# Altium PCB PCB1.PcbDoc (part 2 of 9) (continued)
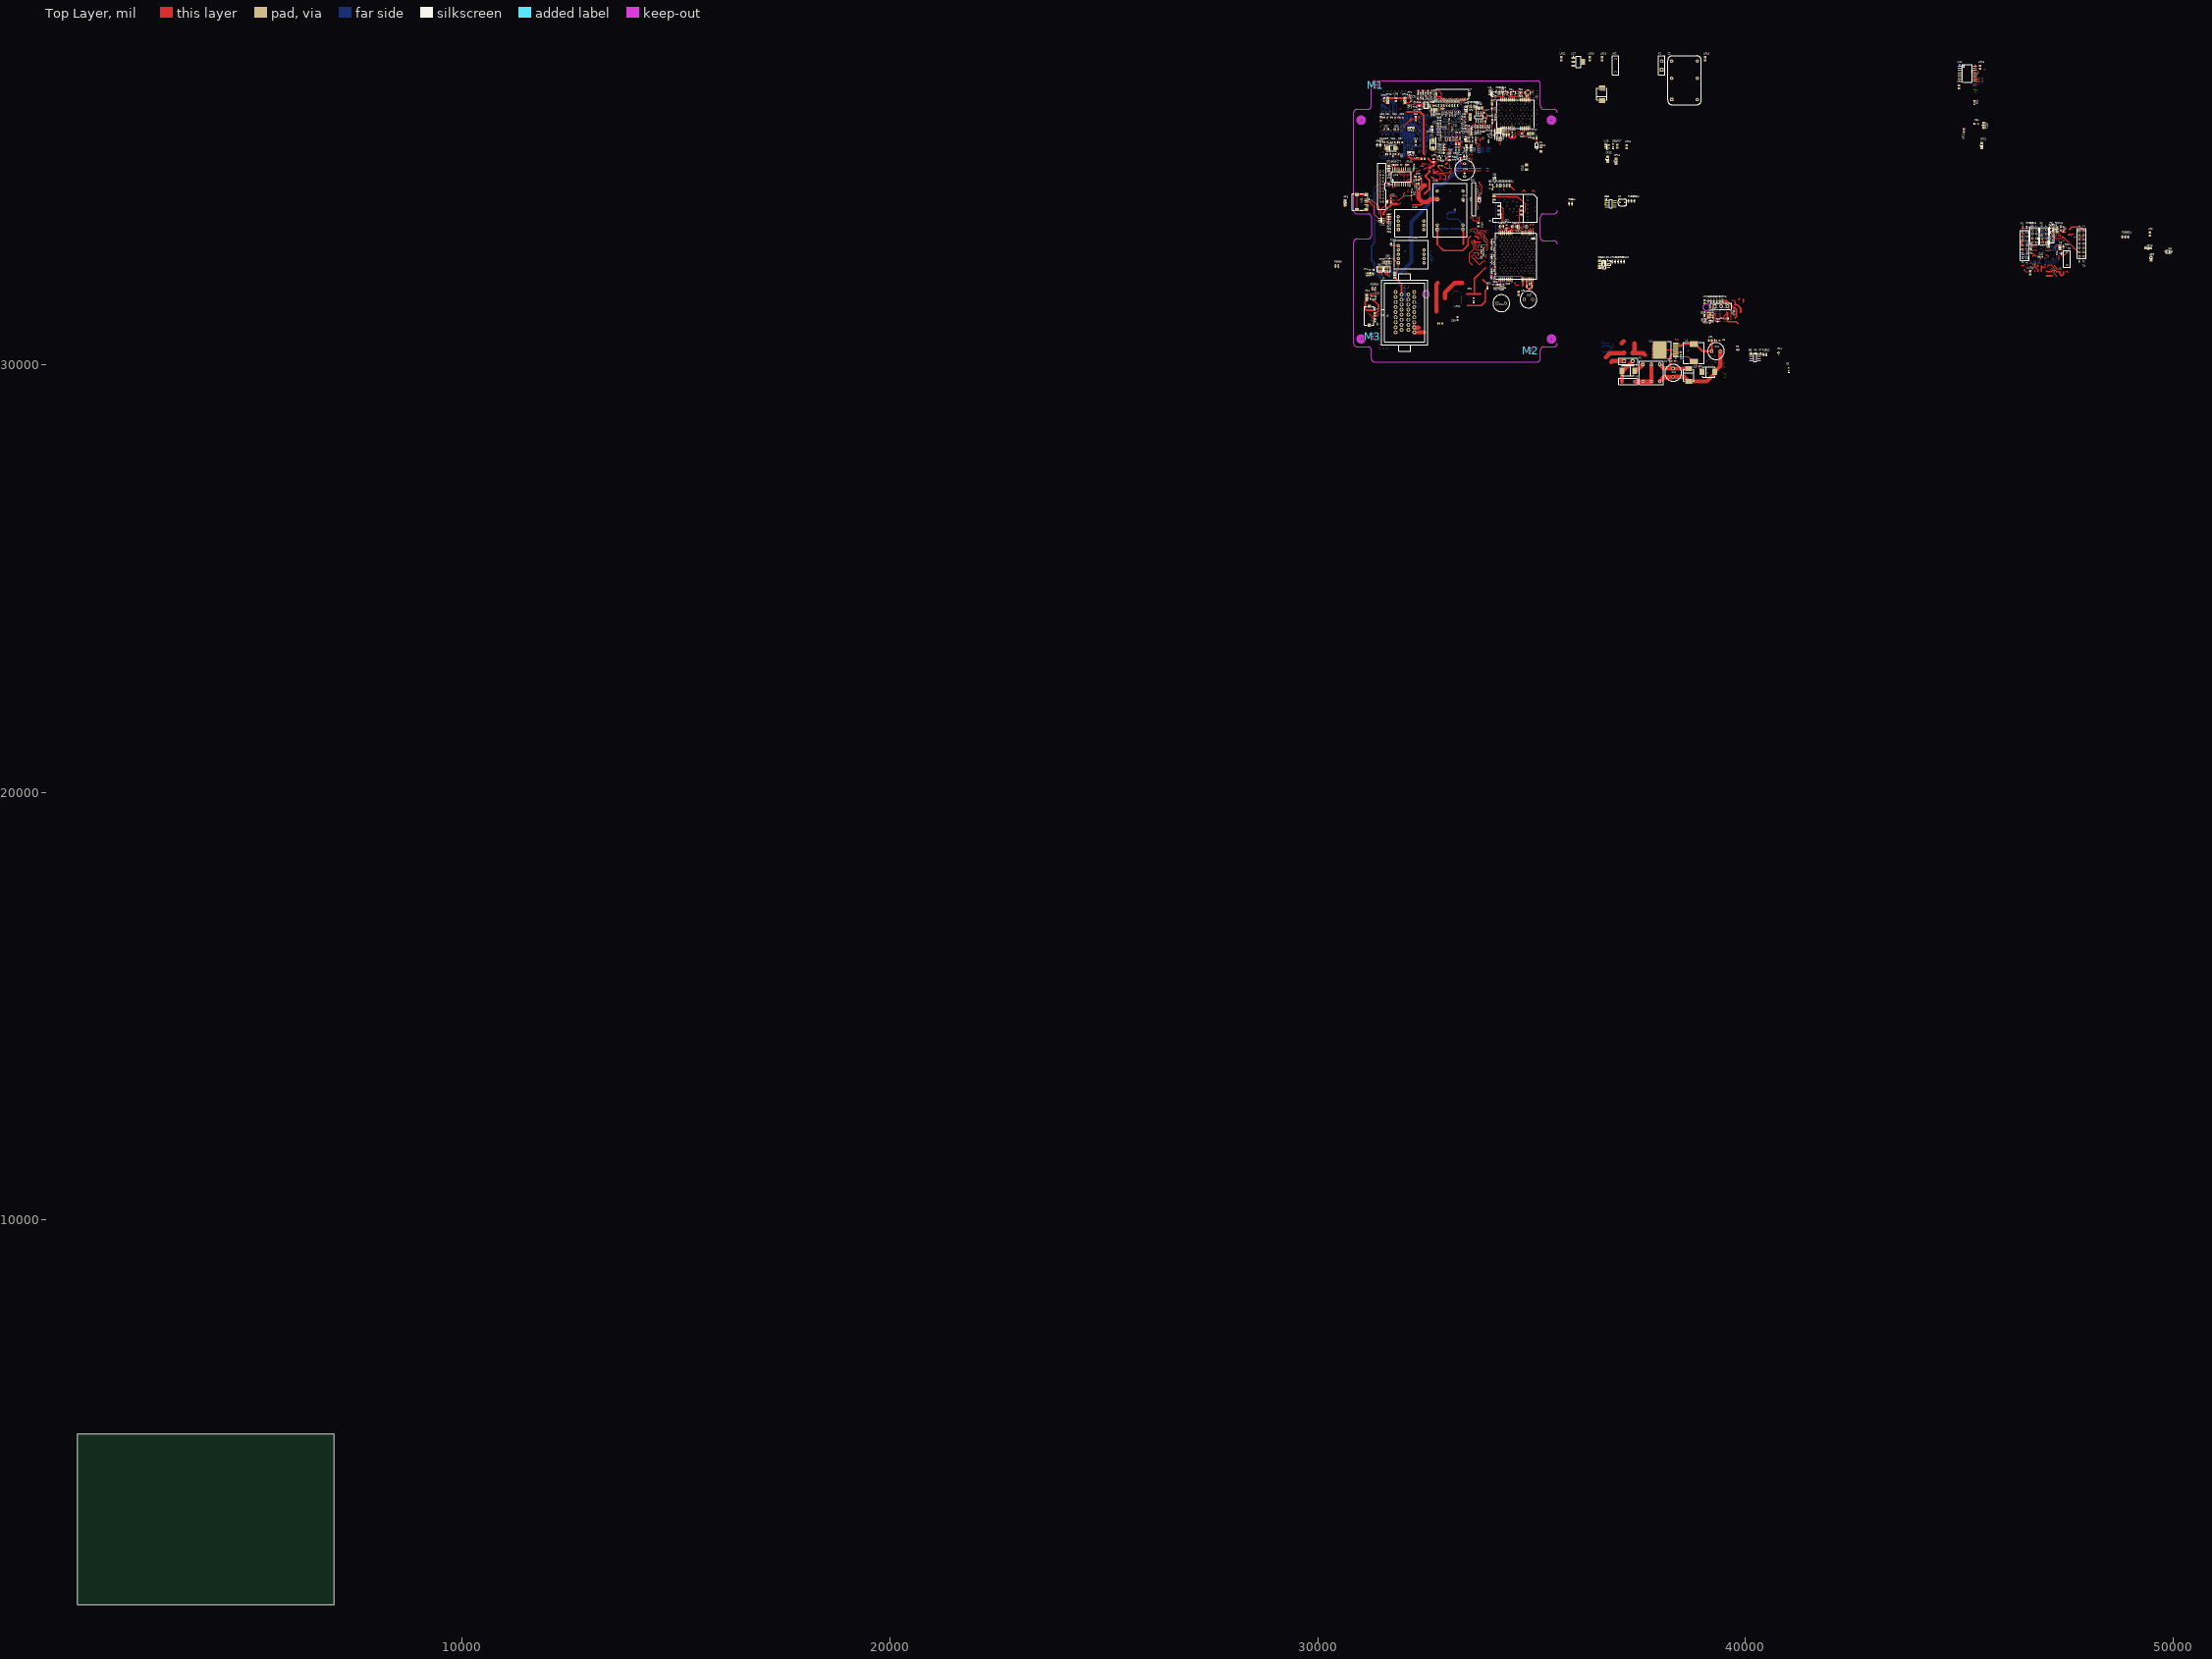
[diagram p0: Top Layer view]
## Nets (pads, with @x,y where several pads share a name; then routed paths per layer and width w, separated by ;. In a path a pad name is that pad's centre, name@x,y a point inside that pad or via, vN(x,y) a via of type N, cw(c..) or ccw(c..) an arc to the next point about the centre after c; other vN are vias at no path point) (continued)
copper on no net: | length 466470.3
  Top Layer w5: v2@31199.1,31192.44 cw(c31199.1,31174.34) 31211.91,31187.14 cw(c31224.71,31199.94) v2@31206.6,31199.94 ; v2(31199.1,31199.94) 31274.89,31124.16 31337.88,31124.16 ; v2(31260.13,31045.42) 31337.88,31045.42 ; v2@31265.43,31040.11 cw(c31278.23,31027.31) 31278.23,31045.42 cw(c31278.23,31063.52) v2@31265.43,31050.72 ; v2@31272.15,31842.88 cw(c31259.35,31830.08) 31277.46,31830.08 cw(c31295.56,31830.08) v2@31282.76,31842.88 ; 31277.46,31814.79 v2(31277.46,31848.18) ; v2(31285.67,31102.47) 31287.67,31104.47 31337.88,31104.47 ; v2@31287.44,31100.71 cw(c31296.53,31091.61) 31296.53,31104.47 ; v2(31290.64,31025.73) 31337.88,31025.73 ; v2@31290.97,31097.17 cw(c31308.6,31079.54) 31308.6,31104.47 ; v2@31290.97,31107.78 ccw(c31298.95,31115.75) 31298.95,31104.47 ; v2(31293.59,31065.1) 31337.88,31065.1 ; v2@31295.94,31020.43 cw(c31308.75,31007.63) 31308.75,31025.73 cw(c31308.75,31043.84) v2@31295.94,31031.04 ; v2@31298.89,31059.8 cw(c31311.7,31047) 31311.7,31065.1 cw(c31311.7,31083.21) v2@31298.89,31070.41 ; 31337.88,31084.79 v2(31383.16,31084.79) ; 31337.88,31143.84 v2(31393.98,31143.84) ; 31337.88,31163.53 31396.94,31163.53 v2(31428.43,31195.02) ; v2@31377.85,31079.48 ccw(c31365.05,31066.68) 31365.05,31084.79 ccw(c31365.05,31102.89) v2@31377.85,31090.09 ; v2@31388.68,31138.54 ccw(c31375.88,31125.74) 31375.88,31143.84 ccw(c31375.88,31161.95) v2@31388.68,31149.15 ; v2@31403.11,32177.04 ccw(c31390.31,32189.84) 31408.41,32189.84 ccw(c31426.52,32189.84) v2@31413.72,32177.04 ; v2(31408.41,32171.74) 31408.41,32211.28 ; v2@31420.93,31195.02 cw(c31402.83,31195.02) 31415.63,31182.22 cw(c31428.43,31169.42) v2@31428.43,31187.52 ; v2@31438.11,32152.87 ccw(c31425.31,32165.67) 31443.41,32165.67 ccw(c31461.52,32165.67) v2@31448.72,32152.87 ; v2(31443.41,32147.56) 31443.41,32211.28 ; v2@31473.54,32122.79 ccw(c31461.79,32134.55) 31478.41,32134.55 ; 31478.41,32136.64 ccw(c31498,32136.64) v2@31484.15,32122.79 ; 31478.41,32211.28 31478.41,32117.48 v2(31478.85,32117.48) ; v2@31508.11,32096.33 ccw(c31495.31,32109.13) 31513.41,32109.13 ccw(c31531.52,32109.13) v2@31518.72,32096.33 ; v2(31513.41,32091.03) 31513.41,32211.28 ; 31543.57,33348.02 31635.1,33348.02 31636.08,33349 31636.08,33407.07 ; 31543.57,33422.82 31592.78,33422.82 31636.08,33466.13 31636.08,33524.2 ; v2@31575.35,32129.8 ccw(c31562.55,32142.6) 31580.66,32142.6 ccw(c31598.76,32142.6) v2@31585.96,32129.8 ; v2(31580.66,32124.49) 31580.66,32211.28 ; v2@31610.35,32109.99 ccw(c31597.55,32122.8) 31615.66,32122.8 ccw(c31633.76,32122.8) v2@31620.96,32109.99 ; v2(31615.66,32104.69) 31615.66,32211.28 ; v2@31644.56,32096.02 ccw(c31629.83,32110.74) 31650.66,32110.74 ; v2(31649.86,32090.71) 31650.66,32091.51 31650.66,32211.28 ; 31650.66,32106.89 ccw(c31666.04,32106.89) v2@31655.16,32096.01 ; v2@31680.35,32067.79 ccw(c31667.55,32080.59) 31685.66,32080.59 ccw(c31703.76,32080.59) v2@31690.96,32067.79 ; v2(31685.66,32062.48) 31685.66,32211.28 ; 31695.14,33407.07 v4(31729.59,33407.07) ; 31695.14,33466.13 v4(31730.57,33466.13) ; 31695.14,33524.2 v4(31731.56,33524.2) ; v4@31723.01,33400.49 ccw(c31707.11,33384.59) 31707.11,33407.07 ccw(c31707.11,33429.55) v4@31723.01,33413.66 ; v4@31723.99,33459.54 ccw(c31708.09,33443.65) 31708.09,33466.13 ccw(c31708.09,33488.61) v4@31723.99,33472.71 ; v4@31724.97,33517.61 ccw(c31709.08,33501.72) 31709.08,33524.2 ccw(c31709.08,33546.68) v4@31724.97,33530.78 ; v2@31752.63,34158.77 ccw(c31739.83,34171.57) 31757.94,34171.57 ccw(c31776.04,34171.57) v2@31763.24,34158.77 ; v2(31757.94,34153.46) 31757.94,34222.03 ; v2@31802.63,34160.54 ccw(c31789.83,34173.34) 31807.94,34173.34 ccw(c31826.04,34173.34) v2@31813.24,34160.54 ; v2(31807.94,34155.23) 31807.94,34222.03 ; v2(31853.61,34799.51) v2@31853.78,34799.51 ; v4@31858.53,34525.71 cw(c31858.53,34503.24) 31874.42,34519.13 cw(c31890.32,34535.02) v4@31867.84,34535.02 ; v4(31858.53,34535.02) 31933.33,34460.22 32164.63,34460.22 32245.34,34540.93 ; 31907.94,34580.3 31907.94,34525.97 ; v4@31911.37,34515.02 ccw(c31899.18,34517.21) 31907.94,34525.97 ; v1(31916.54,35245.64) v1@31916.6,35245.7 ; v4@31918.89,34522.54 cw(c31916.7,34534.73) 31907.94,34525.97 ; v4(31920.53,34513.37) 31907.94,34525.97 ; v1(31951.05,35488.46) v1@31954,35491.41 ; v4@31954.3,34494.36 ccw(c31945.54,34503.13) 31957.94,34503.13 ; v4@31957.94,34490.73 31957.94,34580.3 ; 31957.94,34505.32 ccw(c31978.42,34505.32) v4@31963.94,34490.83 ; 31957.94,34517.39 ccw(c31990.5,34517.39) v4@31967.47,34494.36 ; 32007.94,34580.3 32007.94,34503.73 v4(32020.93,34490.73) ; v4@32011.72,34492.15 ccw(c31998.41,34494.2) 32007.94,34503.72 ccw(c32017.46,34513.25) v4@32019.51,34499.94 ; v1@32021.25,35556.35 ccw(c32010.16,35567.45) 32025.85,35567.45 ccw(c32041.54,35567.45) v1@32030.44,35556.35 ; v1(32025.85,35551.76) 32025.85,35594.08 32146.81,35715.04 cw(c32150.34,35711.5) 32153.88,35715.04 32159.24,35709.68 ccw(c32162.78,35713.21) 32166.31,35709.68 ccw(c32162.78,35713.21) 32166.31,35716.75 32148.52,35734.54 cw(c32152.05,35738.08) 32148.52,35741.61 cw(c32152.05,35738.08) 32155.59,35741.61 32173.38,35723.82 ccw(c32176.92,35727.36) 32180.45,35723.82 ccw(c32176.92,35727.36) 32180.45,35730.89 32162.66,35748.69 cw(c32166.19,35752.22) 32162.66,35755.76 cw(c32166.19,35752.22) 32169.73,35755.76 32175.09,35750.39 ccw(c32178.63,35753.93) 32182.16,35750.39 32189.23,35757.47 32197.78,35757.47 cw(c32197.78,35752.47) 32202.78,35752.47 32202.78,35744.88 ccw(c32207.78,35744.88) 32207.78,35739.88 ccw(c32207.78,35744.88) 32212.78,35744.88 32212.78,35752.47 cw(c32217.78,35752.47) 32217.78,35757.47 32321.08,35757.47 32356.78,35793.17 cw(c32360.32,35789.63) 32363.85,35793.17 32370.92,35786.1 ccw(c32374.46,35789.63) 32378,35786.1 ccw(c32374.46,35789.63) 32378,35793.17 32356.78,35814.38 cw(c32360.32,35817.92) 32356.78,35821.45 cw(c32360.32,35817.92) 32363.85,35821.45 32370.92,35814.38 ccw(c32374.46,35817.92) 32377.99,35814.38 ; 32178.43,36307.23 v2@32210.91,36307.23 ; 32192.31,36307.23 ccw(c32192.31,36328.91) v2@32207.64,36313.58 ; 32197.37,36307.23 cw(c32197.37,36292.7) v2@32207.64,36302.97 ; v2(32301.4,36091.74) 32423.57,36091.74 32460.26,36128.43 32510.64,36128.43 ; v2@32306.71,36086.44 cw(c32319.51,36073.63) 32319.51,36091.74 cw(c32319.51,36109.85) v2@32306.71,36097.04 ; v2(32312.78,36059.69) 32345.76,36059.69 ; v2(32313.28,35981.44) 32345.76,35981.44 ; v2@32318.09,36054.39 cw(c32330.89,36041.58) 32330.89,36059.69 cw(c32330.89,36077.8) v2@32318.09,36064.99 ; v2@32318.58,35976.14 cw(c32331.38,35963.33) 32331.38,35981.44 cw(c32331.38,35999.55) v2@32318.58,35986.74 ; v1(32327.98,35471.04) v1@32329.94,35469.08 ; v1@32335.85,35406.12 v1(32335.85,35409.03) ; 32351.64,36205.02 v2(32392.84,36205.02) ; 32374.46,35812.34 ccw(c32370.24,35819.64) v1@32378.61,35820.67 ; 32376.7,35813.64 ccw(c32374.26,35817.87) v1@32378.9,35819.41 ; v1@32379,35819.12 cw(c32374.85,35817.52) 32378,35814.38 ; v1@32382.73,35815.39 ccw(c32381.14,35811.24) 32378,35814.38 ; v1(32385.07,35821.45) 32377.99,35814.38 ; v2@32387.54,36199.72 ccw(c32374.74,36186.92) 32374.74,36205.02 ccw(c32374.74,36223.13) v2@32387.54,36210.33 ; 32400.87,36137.94 32404.81,36137.94 v2(32437.29,36137.94) ; 32404.81,35981.44 v2@32441.23,35981.44 ; 32404.81,36059.69 32427.94,36059.69 ; 32420.34,35981.44 ccw(c32420.34,36006.27) v2@32437.89,35988.71 ; 32429.84,35981.44 cw(c32429.84,35970.06) v2@32437.89,35978.11 ; v2@32430.87,36050.57 ccw(c32420.52,36052.27) 32427.94,36059.69 ; v2@32431.99,36132.63 ccw(c32419.18,36119.83) 32419.18,36137.94 ccw(c32419.18,36156.04) v2@32431.99,36143.24 ; 32432.41,35981.44 ccw(c32432.41,35994.2) v2@32441.43,35985.18 ; v2@32437.06,36056.76 cw(c32435.36,36067.11) 32427.94,36059.69 ; v2(32438.28,36049.35) 32427.94,36059.69 ; v2(32453.05,36018.07) 32458.41,36023.43 32510.64,36023.43 ; v2@32454.82,36016.3 cw(c32472.03,35999.09) 32472.03,36023.43 ; v2@32458.35,36012.77 cw(c32484.1,35987.02) 32484.1,36023.43 ; v2(32462.88,36071.01) 32475.46,36058.43 ; 32462.88,36205.02 v2(32504.06,36205.02) ; v2@32462.98,36063.51 cw(c32463.2,36046.16) 32475.46,36058.43 ; v2(32467.8,36104.47) 32478.85,36093.43 ; v2@32468.63,36097.02 cw(c32470,36084.58) 32478.85,36093.43 ; v2@32470.38,36070.91 ccw(c32487.72,36070.69) 32475.46,36058.43 ; v2@32475.26,36103.65 ccw(c32487.69,36102.28) 32478.85,36093.43 ; v2@32498.76,36199.72 ccw(c32485.96,36186.92) 32485.96,36205.02 ccw(c32485.96,36223.13) v2@32498.76,36210.33 ; 32510.64,36058.43 32475.46,36058.43 ; 32510.64,36093.43 32478.85,36093.43 ; 32570.64,36023.43 32570.64,35998.69 ; 32570.64,36058.43 v2(32606.37,36058.43) ; 32570.64,36093.43 v2(32618.61,36093.43) ; 32570.64,36128.43 v2(32607.9,36128.43) ; v2@32574.51,35988.02 ccw(c32561.17,35989.22) 32570.64,35998.68 ; v2@32581.31,35994.82 cw(c32580.11,36008.15) 32570.64,35998.68 ; 32581.48,36205.02 v2(32619.53,36205.02) ; v2(32581.98,35987.35) 32570.64,35998.69 ; v2@32601.06,36053.13 ccw(c32588.26,36040.32) 32588.26,36058.43 ccw(c32588.26,36076.54) v2@32601.06,36063.73 ; v2@32602.6,36123.13 ccw(c32589.79,36110.32) 32589.79,36128.43 ccw(c32589.79,36146.54) v2@32602.6,36133.73 ; v2@32613.31,36088.13 ccw(c32600.5,36075.32) 32600.5,36093.43 ccw(c32600.5,36111.54) v2@32613.31,36098.73 ; v2@32614.23,36199.72 ccw(c32601.43,36186.92) 32601.43,36205.02 ccw(c32601.43,36223.13) v2@32614.23,36210.33 ; v2@32656,35511.95 v2(32658.77,35509.19) ; 32673.51,36426.32 32818.2,36426.32 32900.72,36343.8 32900.72,36205.72 ; 32679.42,36206.83 32739.46,36206.83 32808.35,36275.73 32875.28,36275.73 32881.03,36269.98 32881.03,36205.72 ; v1@32839.81,35328.32 v1(32841.78,35328.32) ; v2@32954.47,36161.11 ccw(c32941.67,36173.92) 32959.77,36173.92 ccw(c32977.88,36173.92) v2@32965.08,36161.11 ; v2(32959.77,36155.81) 32959.77,36205.72 ; 32974.67,35024.53 32985.82,35024.53 ; 32974.67,35087.85 v1(33006.49,35087.85) ; 32974.67,35151.17 v1(33004.2,35151.17) ; 32984.96,34961.21 ccw(c32984.96,34981.67) v1@33001.05,34969.02 ; v2@32993.84,36165.05 ccw(c32981.04,36177.85) 32999.14,36177.85 ccw(c33017.25,36177.85) v2@33004.45,36165.05 ; 32995.25,34961.21 ccw(c32995.25,34973.58) v1@33004.98,34965.93 ; v1@32996.22,34965.62 cw(c32992.47,34964.07) 32995.34,34961.21 ; v1@32997.12,34972.11 cw(c32974.67,34989.76) 32974.67,34961.21 32995.34,34961.21 ; v2(32999.14,36159.75) 32999.14,36205.72 ; v1@32999.6,35146.57 ccw(c32988.5,35135.47) 32988.5,35151.17 ccw(c32988.5,35166.86) v1@32999.6,35155.76 ; v1@32999.75,34962.09 ccw(c32998.2,34958.34) 32995.34,34961.21 ; v1@33001.63,35046.84 cw(c32985.94,35046.84) 32997.04,35035.74 cw(c33008.13,35024.64) v1@33008.13,35040.34 ; v1@33001.9,35083.25 ccw(c32990.8,35072.15) 32990.8,35087.85 ccw(c32990.8,35103.54) v1@33001.9,35092.44 ; v1(33002.23,34968.1) 32995.34,34961.21 ; v1(33008.13,35046.84) 32985.82,35024.53 ; v2@33013.53,36105.99 ccw(c33000.72,36118.8) 33018.83,36118.8 ccw(c33036.94,36118.8) v2@33024.13,36105.99 ; v2(33018.83,36100.69) 33018.83,36205.72 ; v2@33031.44,36141.49 ccw(c33014.35,36158.57) 33038.51,36158.57 ; v2@33034.97,36137.95 ccw(c33026.42,36146.5) 33038.51,36146.5 ; v2(33036.74,36136.18) 33038.51,36137.96 33038.51,36205.72 ; 33038.51,36150.01 ccw(c33050.56,36150.01) v2@33042.04,36141.49 ; v2@33052.9,36094.18 ccw(c33040.09,36106.99) 33058.2,36106.99 ccw(c33076.31,36106.99) v2@33063.5,36094.18 ; v2(33058.2,36088.88) 33058.2,36205.72 ; 33077.88,36205.72 33077.88,36149.9 v2(33100.68,36127.11) ; v2@33092.27,36168 ccw(c33079.46,36180.81) 33097.57,36180.81 ccw(c33115.68,36180.81) v2@33102.87,36168 ; v2@33093.18,36127.11 ccw(c33075.07,36127.11) 33087.87,36139.91 ccw(c33100.68,36152.72) v2@33100.68,36134.61 ; v2(33097.57,36162.7) 33097.57,36205.72 ; 33117.38,34878.04 33142.48,34878.04 v4@33150.85,34886.4 ; 33117.38,34965.14 33058,35024.53 32985.82,35024.53 ; 33122.11,34878.04 ccw(c33122.11,34910.79) v4@33145.27,34887.63 ; v1@33128.6,35230.89 ccw(c33112.91,35230.89) 33124,35241.99 ccw(c33135.1,35253.08) v1@33135.1,35237.39 ; v2@33131.64,36115.55 ccw(c33118.83,36128.35) 33136.94,36128.35 ccw(c33155.05,36128.35) v2@33142.24,36115.55 ; 33134.18,34878.04 ccw(c33134.18,34898.72) v4@33148.81,34884.1 ; v1(33135.1,35230.89) 33119.35,35246.64 33119.35,35322.43 v1(33141.99,35345.06) ; v1@33135.49,35345.06 cw(c33119.8,35345.06) 33130.89,35333.97 cw(c33141.99,35322.87) v1@33141.99,35338.56 ; 33136.65,34878.04 cw(c33136.65,34865.84) v4@33145.27,34874.46 ; v2(33136.94,36110.25) 33136.94,36205.72 ; v2@33151.32,36147.33 ccw(c33138.52,36160.14) 33156.62,36160.14 ccw(c33174.73,36160.14) v2@33161.93,36147.33 ; v2(33156.62,36142.03) 33156.62,36205.72 ; v2@33171.01,36171.94 ccw(c33158.2,36184.74) 33176.31,36184.74 ccw(c33194.42,36184.74) v2@33181.61,36171.94 ; v2(33176.31,36166.64) 33176.31,36205.72 ; 33195.99,36205.72 33195.99,36130.89 v2(33212.88,36114) ; v2@33205.38,36114 ccw(c33187.28,36114) 33200.08,36126.8 ccw(c33212.88,36139.61) v2@33212.88,36121.5 ; v2@33209.93,34583.19 cw(c33209.93,34565.09) 33222.73,34577.89 cw(c33235.54,34590.69) v2@33217.43,34590.69 ; v2(33209.93,34590.69) 33250.87,34549.75 33813.28,34549.75 ; v2@33210.38,36169.66 ccw(c33197.57,36182.46) 33215.68,36182.46 ccw(c33233.79,36182.46) v2@33220.98,36169.66 ; v2(33215.68,36164.36) 33215.68,36205.72 ; 33223.68,35150.18 33235.49,35161.99 33235.49,35343.1 33251.98,35359.58 33251.98,35392.06 v1(33267.98,35408.06) ; v2@33233.55,34612.72 cw(c33233.55,34594.61) 33246.35,34607.42 cw(c33259.16,34620.22) v2@33241.05,34620.22 ; v2(33233.55,34620.22) 33254.02,34599.75 33813.28,34599.75 ; 33235.36,36205.72 33235.36,36166.64 33261.88,36140.12 v2(33264.11,36140.12) ; 33247.5,36154.5 ccw(c33264.11,36171.12) v2@33264.11,36147.62 ; 33252.89,36149.11 cw(c33243.9,36140.12) v2@33256.61,36140.12 ; v1@33261.48,35408.06 cw(c33245.78,35408.06) 33256.88,35396.96 cw(c33267.98,35385.86) v1@33267.98,35401.56 ; 33274.73,36205.72 33274.73,36158.19 v2(33305.4,36127.52) ; v2@33289.12,36171.63 ccw(c33276.31,36184.43) 33294.42,36184.43 ccw(c33312.53,36184.43) v2@33299.72,36171.63 ; v2(33294.42,36166.32) 33294.42,36205.72 ; v2@33297.9,36127.52 ccw(c33279.79,36127.52) 33292.6,36140.32 ccw(c33305.4,36153.13) v2@33305.4,36135.02 ; 33314.1,36205.72 33314.1,36149.36 v2(33355.05,36108.41) ; v2@33328.49,36165.72 ccw(c33315.68,36178.53) 33333.79,36178.53 ccw(c33351.9,36178.53) v2@33339.09,36165.72 ; v2(33333.79,36160.42) 33333.79,36205.72 ; v2@33347.55,36108.41 ccw(c33329.44,36108.41) 33342.24,36121.21 ccw(c33355.05,36134.02) v2@33355.05,36115.91 ; 33353.47,36205.72 33353.47,36154.83 ; v2@33357.01,36144.7 ccw(c33344.75,36146.1) 33353.47,36154.83 ; v2@33363.6,36151.29 cw(c33362.2,36163.55) 33353.47,36154.83 ; v2(33364.46,36143.84) 33353.47,36154.83 ; 33373.16,36205.72 33373.16,36179.43 v2(33393,36159.59) ; v2@33385.5,36159.59 ccw(c33367.39,36159.59) 33380.2,36172.39 ccw(c33393,36185.2) v2@33393,36167.09 ; v2@33407.23,36136.22 ccw(c33394.42,36149.02) 33412.53,36149.02 ccw(c33430.64,36149.02) v2@33417.83,36136.22 ; v2(33412.53,36130.92) 33412.53,36205.72 ; v2@33426.08,36242.87 cw(c33411.28,36228.07) 33432.21,36228.07 ; v2(33431.39,36248.17) 33432.21,36247.35 33432.21,36205.72 ; 33432.21,36232.06 cw(c33447.5,36232.06) v2@33436.69,36242.87 ; v2@33447.74,36167.85 ccw(c33437.69,36177.9) 33451.9,36177.9 ; 33451.9,36183.4 ccw(c33473.9,36183.4) v2@33458.34,36167.85 ; 33451.9,36205.72 33451.9,36163.68 v2(33453.04,36162.54) ; v2@33453.77,35259.48 cw(c33424.71,35229.04) 33466.79,35229.04 ; v2@33455.67,35360.17 cw(c33428.81,35333.32) 33466.79,35333.32 ; v2@33457.22,35263.1 cw(c33435.86,35240.72) 33466.79,35240.72 ; v2(33458.94,35264.91) 33466.79,35257.06 ; v2@33459.2,35363.71 cw(c33440.88,35345.39) 33466.79,35345.39 ; v2@33460.67,35266.71 cw(c33447.02,35252.41) 33466.79,35252.41 ; v2(33460.97,35365.48) 33466.79,35359.66 33466.79,35328.33 ; v2@33461.89,35258.01 cw(c33463.64,35253.9) 33466.79,35257.06 ; v2@33465.84,35261.96 ccw(c33469.95,35260.21) 33466.79,35257.06 ; 33466.79,35229.91 33466.79,35257.06 ; v2@33482.16,34934.77 cw(c33469.36,34921.97) 33487.46,34921.97 cw(c33505.57,34921.97) v2@33492.77,34934.77 ; 33487.46,34902.15 v2(33487.46,34940.08) ; v2@33502.92,35554.85 ccw(c33490.11,35567.65) 33508.22,35567.65 ccw(c33526.33,35567.65) v2@33513.52,35554.85 ; v2(33503.24,35420.42) 33534.08,35420.42 33559.34,35445.68 ; v2@33503.24,35457.37 ccw(c33503.24,35481.62) 33520.39,35464.47 ; v2@33503.24,35462.37 ccw(c33503.24,35498.69) 33528.92,35473.01 ; v2(33503.7,35494.47) 33503.7,35496.72 33504.71,35495.71 33558.35,35549.35 33558.35,35560.18 ; v2@33503.7,35501.97 ccw(c33503.7,35519.52) 33516.11,35507.11 ; v2@33505.2,35454.87 33510.78,35454.87 33559.34,35503.43 ; v2(33508.22,35549.54) 33508.22,35569.1 33558.35,35619.24 ; v2@33508.54,35415.11 cw(c33521.34,35402.31) 33521.34,35420.42 cw(c33521.34,35438.52) v2@33508.54,35425.72 ; v2@33511.2,35494.47 cw(c33529.87,35494.47) 33516.67,35507.67 ; v2(33515.05,35387.94) 33559.34,35387.94 ; v2@33520.36,35382.64 cw(c33533.16,35369.84) 33533.16,35387.94 cw(c33533.16,35406.05) v2@33520.36,35393.25 ; v2@33545.15,34934.82 cw(c33532.35,34922.02) 33550.46,34922.02 cw(c33568.56,34922.02) v2@33555.76,34934.82 ; 33550.46,34902.15 v2(33550.46,34940.13) ; 33559.34,35561.17 33558.35,35560.18 ; 33564.26,35560.18 33558.35,35560.18 ; v2@33608.14,34935.81 cw(c33595.34,34923.01) 33613.45,34923.01 cw(c33631.55,34923.01) v2@33618.75,34935.81 ; 33613.45,34902.15 v2(33613.45,34941.11) ; 33684.12,35605.24 33684.12,35625.91 33705.55,35647.34 33705.55,35704.09 ; 33685.08,35546.61 33685.08,35531.88 v2(33703.04,35513.92) ; 33685.54,35605.67 33744.38,35605.67 ; v2@33695.54,35513.92 ccw(c33677.43,35513.92) 33690.24,35526.72 ccw(c33703.04,35539.53) v2@33703.04,35521.42 ; v2(33741.03,35018.45) 33806.39,35018.45 ; v2(33741.62,35118.45) 33806.39,35118.45 ; v2(33741.82,35068.45) 33806.39,35068.45 ; v2@33742.41,34967.66 33743.2,34968.45 33806.39,34968.45 ; v2@33746.33,35013.15 cw(c33759.14,35000.34) 33759.14,35018.45 cw(c33759.14,35036.56) v2@33746.33,35023.75 ; v2@33746.93,35113.15 cw(c33759.73,35100.34) 33759.73,35118.45 cw(c33759.73,35136.56) v2@33746.93,35123.75 ; v2@33747.12,35063.15 cw(c33759.93,35050.34) 33759.93,35068.45 cw(c33759.93,35086.56) v2@33747.12,35073.75 ; v2@33748.7,34962.36 cw(c33763.4,34947.65) 33763.4,34968.45 ; v2@33748.7,34972.96 ccw(c33759.6,34983.87) 33759.6,34968.45 ; 33755.55,35704.09 33755.55,35657.82 33804.2,35609.17 ; v4@33797.1,35520.75 ccw(c33781.2,35536.65) 33803.68,35536.65 ccw(c33826.16,35536.65) v4@33810.26,35520.75 ; v4(33803.68,35514.17) 33803.68,35546.61 ; 33803.68,35605.67 33862.98,35605.67 33867.74,35605.67 33868.17,35605.24 ; 33805.55,35704.09 33805.55,35682.62 33845.54,35642.64 33889.83,35642.64 33924.54,35607.93 ; v2(33811.09,35456.61) 33847.5,35456.61 v2(33847.5,35490.08) ; v2@33816.39,35451.31 cw(c33829.19,35438.51) 33829.19,35456.61 cw(c33829.19,35474.72) v2@33816.39,35461.92 ; v2@33842.2,35484.78 cw(c33829.4,35471.97) 33847.5,35471.97 cw(c33865.61,35471.97) v2@33852.81,35484.78 ; 33906.56,35456.61 33957.16,35507.21 33957.16,35587.12 33939.04,35605.24 33925.26,35605.24 ; 33943.59,34549.75 34002.25,34549.75 ; 33944.38,34599.75 34002.25,34599.75 ; 45411.69,36640 v2(45470.15,36640) ; 45411.69,36690 v2(45471.92,36690) ; v2@45464.85,36634.7 ccw(c45452.04,36621.89) 45452.04,36640 ccw(c45452.04,36658.11) v2@45464.85,36645.3 ; v2@45466.62,36684.7 ccw(c45453.81,36671.89) 45453.81,36690 ccw(c45453.81,36708.11) v2@45466.62,36695.3 ; v2@45547.3,36634.7 cw(c45560.11,36621.89) 45560.11,36640 cw(c45560.11,36658.11) v2@45547.3,36645.3 ; v2@45548.09,36684.7 cw(c45560.89,36671.89) 45560.89,36690 cw(c45560.89,36708.11) v2@45548.09,36695.3 ; v2@46594.52,32382.24 cw(c46581.71,32369.44) 46599.82,32369.44 cw(c46617.93,32369.44) v2@46605.12,32382.24 ; 46599.82,32353.09 v2(46599.82,32387.54) ; 32378.18,35814.49 cw(c32381.61,35808.55) 32383.38,35815.18 ccw(c32381.61,35808.55) 32378.18,35814.49
  Top Layer w6: 31136.11,33983.41 30919.57,33983.41 30919.57,33633.02 31136.11,33633.02 31136.11,33741.29 31140.05,33745.22 ; 33259.27,35098.7 33268.18,35107.6 33268.18,35261.2 33266.99,35262.39 ; v1(33362.46,35723.02) v1@33367.5,35723.02